# KiCad board rabbit_mask_video_edit.kicad_pcb (continued)
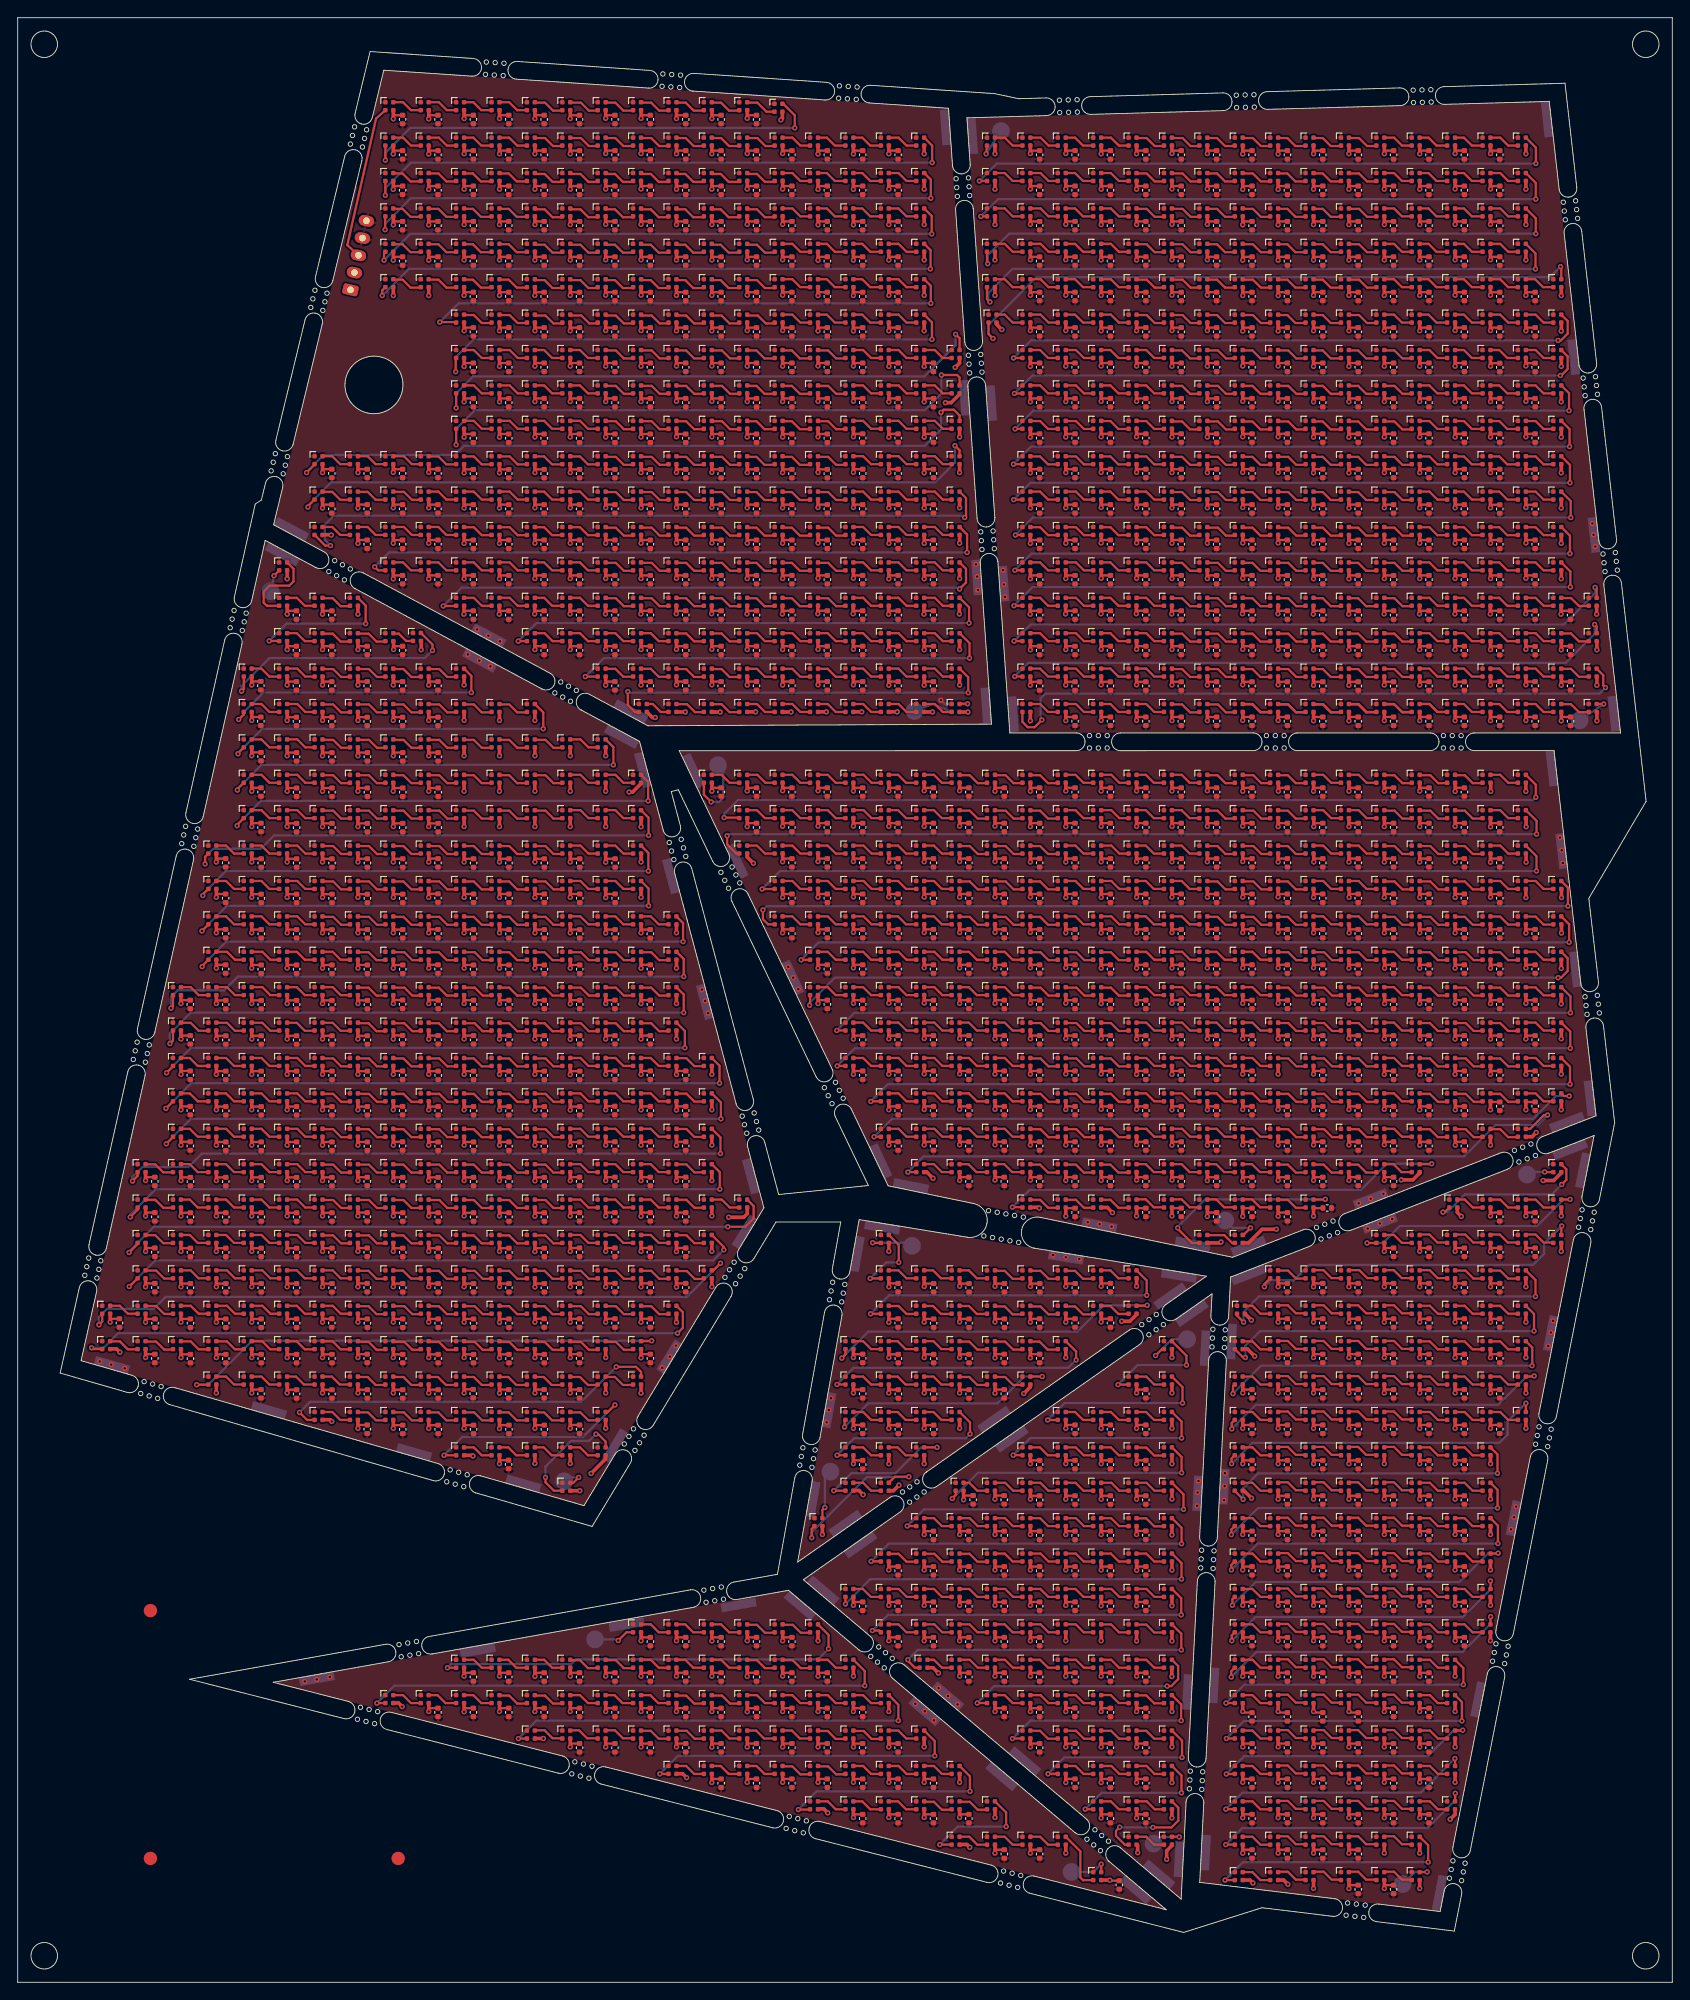
[diagram p0: board, top side]
## Nets (continued)
VCC: C1485.1 C1485#2.1 C1485#3.1 C1485#4.1 C1485#5.1 C1485#6.1 C1485#7.1 C1485#8.1 C1485#9.1 C1485#10.1 C1485#11.1 C1485#12.1 C1485#13.1 C1485#14.1 C1485#15.1 C1485#16.1 C1485#17.1 C1485#18.1 C1485#19.1 C1485#20.1 C1485#21.1 C1485#22.1 C1485#23.1 C1485#24.1 C1485#25.1 C1485#26.1 C1485#27.1 C1485#28.1 C1485#29.1 C1485#30.1 C1485#31.1 C1485#32.1 C1485#33.1 C1485#34.1 C1485#35.1 C1485#36.1 C1485#37.1 C1485#38.1 C1485#39.1 C1485#40.1 C1485#41.1 C1485#42.1 C1485#43.1 C1485#44.1 C1485#45.1 C1485#46.1 C1485#47.1 C1485#48.1 C1485#49.1 C1485#50.1 C1485#51.1 C1485#52.1 C1485#53.1 C1485#54.1 C1485#55.1 C1485#56.1 C1485#57.1 C1485#58.1 C1485#59.1 C1485#60.1 C1485#61.1 C1485#62.1 C1485#63.1 C1485#64.1 C1485#65.1 C1485#66.1 C1485#67.1 C1485#68.1 C1485#69.1 C1485#70.1 C1485#71.1 C1485#72.1 C1485#73.1 C1485#74.1 C1485#75.1 C1485#76.1 C1485#77.1 C1485#78.1 C1485#79.1 C1485#80.1 C1485#81.1 C1485#82.1 C1485#83.1 C1485#84.1 C1485#85.1 C1485#86.1 C1485#87.1 C1485#88.1 C1485#89.1 C1485#90.1 C1485#91.1 C1485#92.1 C1485#93.1 C1485#94.1 C1485#95.1 C1485#96.1 C1485#97.1 C1485#98.1 C1485#99.1 C1485#100.1 C1485#101.1 C1485#102.1 C1485#103.1 C1485#104.1 C1485#105.1 C1485#106.1 C1485#107.1 C1485#108.1 C1485#109.1 C1485#110.1 C1485#111.1 C1485#112.1 C1485#113.1 C1485#114.1 C1485#115.1 C1485#116.1 C1485#117.1 C1485#118.1 C1485#119.1 C1485#120.1 C1485#121.1 C1485#122.1 C1485#123.1 C1485#124.1 C1485#125.1 C1485#126.1 C1485#127.1 C1485#128.1 C1485#129.1 C1485#130.1 C1485#131.1 C1485#132.1 C1485#133.1 C1485#134.1 C1485#135.1 C1485#136.1 C1485#137.1 C1485#138.1 C1485#139.1 C1485#140.1 C1485#141.1 C1485#142.1 C1485#143.1 C1485#144.1 C1485#145.1 C1485#146.1 C1485#147.1 C1485#148.1 C1485#149.1 C1485#150.1 C1485#151.1 C1485#152.1 C1485#153.1 C1485#154.1 C1485#155.1 C1485#156.1 C1485#157.1 C1485#158.1 C1485#159.1 C1485#160.1 C1485#161.1 C1485#162.1 C1485#163.1 C1485#164.1 C1485#165.1 C1485#166.1 C1485#167.1 C1485#168.1 C1485#169.1 C1485#170.1 C1485#171.1 C1485#172.1 C1485#173.1 C1485#174.1 C1485#175.1 C1485#176.1 C1485#177.1 C1485#178.1 C1485#179.1 C1485#180.1 C1485#181.1 C1485#182.1 C1485#183.1 C1485#184.1 C1485#185.1 C1485#186.1 C1485#187.1 C1485#188.1 C1485#189.1 C1485#190.1 C1485#191.1 C1485#192.1 C1485#193.1 C1485#194.1 C1485#195.1 C1485#196.1 C1485#197.1 C1485#198.1 C1485#199.1 C1485#200.1 C1485#201.1 C1485#202.1 C1485#203.1 C1485#204.1 C1485#205.1 C1485#206.1 C1485#207.1 C1485#208.1 C1485#209.1 C1485#210.1 C1485#211.1 C1485#212.1 C1485#213.1 C1485#214.1 C1485#215.1 C1485#216.1 C1485#217.1 C1485#218.1 C1485#219.1 C1485#220.1 C1485#221.1 C1485#222.1 C1485#223.1 C1485#224.1 C1485#225.1 C1485#226.1 C1485#227.1 C1485#228.1 C1485#229.1 C1485#230.1 C1485#231.1 C1485#232.1 C1485#233.1 C1485#234.1 C1485#235.1 C1485#236.1 C1485#237.1 C1485#238.1 C1485#239.1 C1485#240.1 C1485#241.1 C1485#242.1 C1485#243.1 C1485#244.1 C1485#245.1 C1485#246.1 C1485#247.1 C1485#248.1 C1485#249.1 C1485#250.1 C1485#251.1 C1485#252.1 C1485#253.1 C1485#254.1 C1485#255.1 C1485#256.1 C1485#257.1 C1485#258.1 C1485#259.1 C1485#260.1 C1485#261.1 C1485#262.1 C1485#263.1 C1485#264.1 C1485#265.1 C1485#266.1 C1485#267.1 C1485#268.1 C1485#269.1 C1485#270.1 C1485#271.1 C1485#272.1 C1485#273.1 C1485#274.1 C1485#275.1 C1485#276.1 C1485#277.1 C1485#278.1 C1485#279.1 C1485#280.1 C1485#281.1 C1485#282.1 C1485#283.1 C1485#284.1 C1485#285.1 C1485#286.1 C1485#287.1 C1485#288.1 C1485#289.1 C1485#290.1 C1485#291.1 C1485#292.1 C1485#293.1 C1485#294.1 C1485#295.1 C1485#296.1 C1485#297.1 C1485#298.1 C1485#299.1 C1485#300.1 C1485#301.1 C1485#302.1 C1485#303.1 C1485#304.1 C1485#305.1 C1485#306.1 C1485#307.1 C1485#308.1 C1485#309.1 C1485#310.1 C1485#311.1 C1485#312.1 C1485#313.1 C1485#314.1 C1485#315.1 C1485#316.1 C1485#317.1 C1485#318.1 C1485#319.1 C1485#320.1 C1485#321.1 C1485#322.1 C1485#323.1 C1485#324.1 C1485#325.1 C1485#326.1 C1485#327.1 C1485#328.1 C1485#329.1 C1485#330.1 C1485#331.1 C1485#332.1 C1485#333.1 C1485#334.1 C1485#335.1 C1485#336.1 C1485#337.1 C1485#338.1 C1485#339.1 C1485#340.1 C1485#341.1 C1485#342.1 C1485#343.1 C1485#344.1 C1485#345.1 C1485#346.1 C1485#347.1 C1485#348.1 C1485#349.1 C1485#350.1 C1485#351.1 C1485#352.1 C1485#353.1 C1485#354.1 C1485#355.1 C1485#356.1 C1485#357.1 C1485#358.1 C1485#359.1 C1485#360.1 C1485#361.1 C1485#362.1 C1485#363.1 C1485#364.1 C1485#365.1 C1485#366.1 C1485#367.1 C1485#368.1 C1485#369.1 C1485#370.1 C1485#371.1 C1485#372.1 C1485#373.1 C1485#374.1 C1485#375.1 C1485#376.1 C1485#377.1 C1485#378.1 C1485#379.1 C1485#380.1 C1485#381.1 C1485#382.1 C1485#383.1 C1485#384.1 C1485#385.1 C1485#386.1 C1485#387.1 C1485#388.1 C1485#389.1 C1485#390.1 C1485#391.1 C1485#392.1 C1485#393.1 C1485#394.1 C1485#395.1 C1485#396.1 C1485#397.1 C1485#398.1 C1485#399.1 C1485#400.1 C1485#401.1 C1485#402.1 C1485#403.1 C1485#404.1 C1485#405.1 C1485#406.1 C1485#407.1 C1485#408.1 C1485#409.1 C1485#410.1 C1485#411.1 C1485#412.1 C1485#413.1 C1485#414.1 C1485#415.1 C1485#416.1 C1485#417.1 C1485#418.1 C1485#419.1 C1485#420.1 C1485#421.1 C1485#422.1 C1485#423.1 C1485#424.1 C1485#425.1 C1485#426.1 C1485#427.1 C1485#428.1 C1485#429.1 C1485#430.1 C1485#431.1 C1485#432.1 C1485#433.1 C1485#434.1 C1485#435.1 C1485#436.1 C1485#437.1 C1485#438.1 C1485#439.1 C1485#440.1 C1485#441.1 C1485#442.1 C1485#443.1 C1485#444.1 C1485#445.1 C1485#446.1 C1485#447.1 C1485#448.1 C1485#449.1 C1485#450.1 C1485#451.1 C1485#452.1 C1485#453.1 C1485#454.1 C1485#455.1 C1485#456.1 C1485#457.1 C1485#458.1 C1485#459.1 C1485#460.1 C1485#461.1 C1485#462.1 C1485#463.1 C1485#464.1 C1485#465.1 C1485#466.1 C1485#467.1 C1485#468.1 C1485#469.1 C1485#470.1 C1485#471.1 C1485#472.1 C1485#473.1 C1485#474.1 C1485#475.1 C1485#476.1 C1485#477.1 C1485#478.1 C1485#479.1 C1485#480.1 C1485#481.1 C1485#482.1 C1485#483.1 C1485#484.1 C1485#485.1 C1485#486.1 C1485#487.1 C1485#488.1 C1485#489.1 C1485#490.1 C1485#491.1 C1485#492.1 C1485#493.1 C1485#494.1 C1485#495.1 C1485#496.1 C1485#497.1 C1485#498.1 C1485#499.1 C1485#500.1 C1485#501.1 C1485#502.1 C1485#503.1 C1485#504.1 C1485#505.1 C1485#506.1 C1485#507.1 C1485#508.1 C1485#509.1 C1485#510.1 C1485#511.1 C1485#512.1 C1485#513.1 C1485#514.1 C1485#515.1 C1485#516.1 C1485#517.1 C1485#518.1 C1485#519.1 C1485#520.1 C1485#521.1 C1485#522.1 C1485#523.1 C1485#524.1 C1485#525.1 C1485#526.1 C1485#527.1 C1485#528.1 C1485#529.1 C1485#530.1 C1485#531.1 C1485#532.1 C1485#533.1 C1485#534.1 C1485#535.1 C1485#536.1 C1485#537.1 C1485#538.1 C1485#539.1 C1485#540.1 C1485#541.1 C1485#542.1 C1485#543.1 C1485#544.1 C1485#545.1 C1485#546.1 C1485#547.1 C1485#548.1 C1485#549.1 C1485#550.1 C1485#551.1 C1485#552.1 C1485#553.1 C1485#554.1 C1485#555.1 C1485#556.1 C1485#557.1 C1485#558.1 C1485#559.1 C1485#560.1 C1485#561.1 C1485#562.1 C1485#563.1 C1485#564.1 C1485#565.1 C1485#566.1 C1485#567.1 C1485#568.1 C1485#569.1 C1485#570.1 C1485#571.1 C1485#572.1 C1485#573.1 C1485#574.1 C1485#575.1 C1485#576.1 C1485#577.1 C1485#578.1 C1485#579.1 C1485#580.1 C1485#581.1 C1485#582.1 C1485#583.1 C1485#584.1 C1485#585.1 C1485#586.1 C1485#587.1 C1485#588.1 C1485#589.1 C1485#590.1 C1485#591.1 C1485#592.1 C1485#593.1 C1485#594.1 C1485#595.1 C1485#596.1 C1485#597.1 C1485#598.1 C1485#599.1 C1485#600.1 C1485#601.1 C1485#602.1 C1485#603.1 C1485#604.1 C1485#605.1 C1485#606.1 C1485#607.1 C1485#608.1 C1485#609.1 C1485#610.1 C1485#611.1 C1485#612.1 C1485#613.1 C1485#614.1 C1485#615.1 C1485#616.1 C1485#617.1 C1485#618.1 C1485#619.1 C1485#620.1 C1485#621.1 C1485#622.1 C1485#623.1 C1485#624.1 C1485#625.1 C1485#626.1 C1485#627.1 C1485#628.1 C1485#629.1 C1485#630.1 C1485#631.1 C1485#632.1 C1485#633.1 C1485#634.1 C1485#635.1 C1485#636.1 C1485#637.1 C1485#638.1 C1485#639.1 C1485#640.1 C1485#641.1 C1485#642.1 C1485#643.1 C1485#644.1 C1485#645.1 C1485#646.1 C1485#647.1 C1485#648.1 C1485#649.1 C1485#650.1 C1485#651.1 C1485#652.1 C1485#653.1 C1485#654.1 C1485#655.1 C1485#656.1 C1485#657.1 C1485#658.1 C1485#659.1 C1485#660.1 C1485#661.1 C1485#662.1 C1485#663.1 C1485#664.1 C1485#665.1 C1485#666.1 C1485#667.1 C1485#668.1 C1485#669.1 C1485#670.1 C1485#671.1 C1485#672.1 C1485#673.1 C1485#674.1 C1485#675.1 C1485#676.1 C1485#677.1 C1485#678.1 C1485#679.1 C1485#680.1 C1485#681.1 C1485#682.1 C1485#683.1 C1485#684.1 C1485#685.1 C1485#686.1 C1485#687.1 C1485#688.1 C1485#689.1 C1485#690.1 C1485#691.1 C1485#692.1 C1485#693.1 C1485#694.1 C1485#695.1 C1485#696.1 C1485#697.1 C1485#698.1 C1485#699.1 C1485#700.1 C1485#701.1 C1485#702.1 C1485#703.1 C1485#704.1 C1485#705.1 C1485#706.1 C1485#707.1 C1485#708.1 C1485#709.1 C1485#710.1 C1485#711.1 C1485#712.1 C1485#713.1 C1485#714.1 C1485#715.1 C1485#716.1 C1485#717.1 C1485#718.1 C1485#719.1 C1485#720.1 C1485#721.1 C1485#722.1 C1485#723.1 C1485#724.1 C1485#725.1 C1485#726.1 C1485#727.1 C1485#728.1 C1485#729.1 C1485#730.1 C1485#731.1 C1485#732.1 C1485#733.1 C1485#734.1 C1485#735.1 C1485#736.1 C1485#737.1 C1485#738.1 C1485#739.1 C1485#740.1 C1485#741.1 C1485#742.1 C1485#743.1 C1485#744.1 C1485#745.1 C1485#746.1 C1485#747.1 C1485#748.1 C1485#749.1 C1485#750.1 C1485#751.1 C1485#752.1 C1485#753.1 C1485#754.1 C1485#755.1 C1485#756.1 C1485#757.1 C1485#758.1 C1485#759.1 C1485#760.1 C1485#761.1 C1485#762.1 C1485#763.1 C1485#764.1 C1485#765.1 C1485#766.1 C1485#767.1 C1485#768.1 C1485#769.1 C1485#770.1 C1485#771.1 C1485#772.1 C1485#773.1 C1485#774.1 C1485#775.1 C1485#776.1 C1485#777.1 C1485#778.1 C1485#779.1 C1485#780.1 C1485#781.1 C1485#782.1 C1485#783.1 C1485#784.1 C1485#785.1 C1485#786.1 C1485#787.1 C1485#788.1 C1485#789.1 C1485#790.1 C1485#791.1 C1485#792.1 C1485#793.1 C1485#794.1 C1485#795.1 C1485#796.1 C1485#797.1 C1485#798.1 C1485#799.1 C1485#800.1 C1485#801.1 C1485#802.1 C1485#803.1 C1485#804.1 C1485#805.1 C1485#806.1 C1485#807.1 C1485#808.1 C1485#809.1 C1485#810.1 C1485#811.1 C1485#812.1 C1485#813.1 C1485#814.1 C1485#815.1 C1485#816.1 C1485#817.1 C1485#818.1 C1485#819.1 C1485#820.1 C1485#821.1 C1485#822.1 C1485#823.1 C1485#824.1 C1485#825.1 C1485#826.1 C1485#827.1 C1485#828.1 C1485#829.1 C1485#830.1 C1485#831.1 C1485#832.1 C1485#833.1 C1485#834.1 C1485#835.1 C1485#836.1 C1485#837.1 C1485#838.1 C1485#839.1 C1485#840.1 C1485#841.1 C1485#842.1 C1485#843.1 C1485#844.1 C1485#845.1 C1485#846.1 C1485#847.1 C1485#848.1 C1485#849.1 C1485#850.1 C1485#851.1 C1485#852.1 C1485#853.1 C1485#854.1 C1485#855.1 C1485#856.1 C1485#857.1 C1485#858.1 C1485#859.1 C1485#860.1 C1485#861.1 C1485#862.1 C1485#863.1 C1485#864.1 C1485#865.1 C1485#866.1 C1485#867.1 C1485#868.1 C1485#869.1 C1485#870.1 C1485#871.1 C1485#872.1 C1485#873.1 C1485#874.1 C1485#875.1 C1485#876.1 C1485#877.1 C1485#878.1 C1485#879.1 C1485#880.1 C1485#881.1 C1485#882.1 C1485#883.1 C1485#884.1 C1485#885.1 C1485#886.1 C1485#887.1 C1485#888.1 C1485#889.1 C1485#890.1 C1485#891.1 C1485#892.1 C1485#893.1 C1485#894.1 C1485#895.1 C1485#896.1 C1485#897.1 C1485#898.1 C1485#899.1 C1485#900.1 C1485#901.1 C1485#902.1 C1485#903.1 C1485#904.1 C1485#905.1 C1485#906.1 C1485#907.1 C1485#908.1 C1485#909.1 C1485#910.1 C1485#911.1 C1485#912.1 C1485#913.1 C1485#914.1 C1485#915.1 C1485#916.1 C1485#917.1 C1485#918.1 C1485#919.1 C1485#920.1 C1485#921.1 C1485#922.1 C1485#923.1 C1485#924.1 C1485#925.1 C1485#926.1 C1485#927.1 C1485#928.1 C1485#929.1 C1485#930.1 C1485#931.1 C1485#932.1 C1485#933.1 C1485#934.1 C1485#935.1 C1485#936.1 C1485#937.1 C1485#938.1 C1485#939.1 C1485#940.1 C1485#941.1 C1485#942.1 C1485#943.1 C1485#944.1 C1485#945.1 C1485#946.1 C1485#947.1 C1485#948.1 C1485#949.1 C1485#950.1 C1485#951.1 C1485#952.1 C1485#953.1 C1485#954.1 C1485#955.1 C1485#956.1 C1485#957.1 C1485#958.1 C1485#959.1 C1485#960.1 C1485#961.1 C1485#962.1 C1485#963.1 C1485#964.1 C1485#965.1 C1485#966.1 C1485#967.1 C1485#968.1 C1485#969.1 C1485#970.1 C1485#971.1 C1485#972.1 C1485#973.1 C1485#974.1 C1485#975.1 C1485#976.1 C1485#977.1 C1485#978.1 C1485#979.1 C1485#980.1 C1485#981.1 C1485#982.1 C1485#983.1 C1485#984.1 C1485#985.1 C1485#986.1 C1485#987.1 C1485#988.1 C1485#989.1 C1485#990.1 C1485#991.1 C1485#992.1 C1485#993.1 C1485#994.1 C1485#995.1 C1485#996.1 C1485#997.1 C1485#998.1 C1485#999.1 C1485#1000.1 C1485#1001.1 C1485#1002.1 C1485#1003.1 C1485#1004.1 C1485#1005.1 C1485#1006.1 C1485#1007.1 C1485#1008.1 C1485#1009.1 C1485#1010.1 C1485#1011.1 C1485#1012.1 C1485#1013.1 C1485#1014.1 C1485#1015.1 C1485#1016.1 C1485#1017.1 C1485#1018.1 C1485#1019.1 C1485#1020.1 C1485#1021.1 C1485#1022.1 C1485#1023.1 C1485#1024.1 C1485#1025.1 C1485#1026.1 C1485#1027.1 C1485#1028.1 C1485#1029.1 C1485#1030.1 C1485#1031.1 C1485#1032.1 C1485#1033.1 C1485#1034.1 C1485#1035.1 C1485#1036.1 C1485#1037.1 C1485#1038.1 C1485#1039.1 C1485#1040.1 C1485#1041.1 C1485#1042.1 C1485#1043.1 C1485#1044.1 C1485#1045.1 C1485#1046.1 C1485#1047.1 C1485#1048.1 C1485#1049.1 C1485#1050.1 C1485#1051.1 C1485#1052.1 C1485#1053.1 C1485#1054.1 C1485#1055.1 C1485#1056.1 C1485#1057.1 C1485#1058.1 C1485#1059.1 C1485#1060.1 C1485#1061.1 C1485#1062.1 C1485#1063.1 C1485#1064.1 C1485#1065.1 C1485#1066.1 C1485#1067.1 C1485#1068.1 C1485#1069.1 C1485#1070.1 C1485#1071.1 C1485#1072.1 C1485#1073.1 C1485#1074.1 C1485#1075.1 C1485#1076.1 C1485#1077.1 C1485#1078.1 C1485#1079.1 C1485#1080.1 C1485#1081.1 C1485#1082.1 C1485#1083.1 C1485#1084.1 C1485#1085.1 C1485#1086.1 C1485#1087.1 C1485#1088.1 C1485#1089.1 C1485#1090.1 C1485#1091.1 C1485#1092.1 C1485#1093.1 C1485#1094.1 C1485#1095.1 C1485#1096.1 C1485#1097.1 C1485#1098.1 C1485#1099.1 C1485#1100.1 C1485#1101.1 C1485#1102.1 C1485#1103.1 C1485#1104.1 C1485#1105.1 C1485#1106.1 C1485#1107.1 C1485#1108.1 C1485#1109.1 C1485#1110.1 C1485#1111.1 C1485#1112.1 C1485#1113.1 C1485#1114.1 C1485#1115.1 C1485#1116.1 C1485#1117.1 C1485#1118.1 C1485#1119.1 C1485#1120.1 C1485#1121.1 C1485#1122.1 C1485#1123.1 C1485#1124.1 C1485#1125.1 C1485#1126.1 C1485#1127.1 C1485#1128.1 C1485#1129.1 C1485#1130.1 C1485#1131.1 C1485#1132.1 C1485#1133.1 C1485#1134.1 C1485#1135.1 C1485#1136.1 C1485#1137.1 C1485#1138.1 C1485#1139.1 C1485#1140.1 C1485#1141.1 C1485#1142.1 C1485#1143.1 C1485#1144.1 C1485#1145.1 C1485#1146.1 C1485#1147.1 C1485#1148.1 C1485#1149.1 C1485#1150.1 C1485#1151.1 C1485#1152.1 C1485#1153.1 C1485#1154.1 C1485#1155.1 C1485#1156.1 C1485#1157.1 C1485#1158.1 C1485#1159.1 C1485#1160.1 C1485#1161.1 C1485#1162.1 C1485#1163.1 C1485#1164.1 C1485#1165.1 C1485#1166.1 C1485#1167.1 C1485#1168.1 C1485#1169.1 C1485#1170.1 C1485#1171.1 C1485#1172.1 C1485#1173.1 C1485#1174.1 C1485#1175.1 C1485#1176.1 C1485#1177.1 C1485#1178.1 C1485#1179.1 C1485#1180.1 C1485#1181.1 C1485#1182.1 C1485#1183.1 C1485#1184.1 C1485#1185.1 C1485#1186.1 C1485#1187.1 C1485#1188.1 C1485#1189.1 C1485#1190.1 C1485#1191.1 C1485#1192.1 C1485#1193.1 C1485#1194.1 C1485#1195.1 C1485#1196.1 C1485#1197.1 C1485#1198.1 C1485#1199.1 C1485#1200.1 C1485#1201.1 C1485#1202.1 C1485#1203.1 C1485#1204.1 C1485#1205.1 C1485#1206.1 C1485#1207.1 C1485#1208.1 C1485#1209.1 C1485#1210.1 C1485#1211.1 C1485#1212.1 C1485#1213.1 C1485#1214.1 C1485#1215.1 C1485#1216.1 C1485#1217.1 C1485#1218.1 C1485#1219.1 C1485#1220.1 C1485#1221.1 C1485#1222.1 C1485#1223.1 C1485#1224.1 C1485#1225.1 C1485#1226.1 C1485#1227.1 C1485#1228.1 C1485#1229.1 C1485#1230.1 C1485#1231.1 C1485#1232.1 C1485#1233.1 C1485#1234.1 C1485#1235.1 C1485#1236.1 C1485#1237.1 C1485#1238.1 C1485#1239.1 C1485#1240.1 C1485#1241.1 C1485#1242.1 C1485#1243.1 C1485#1244.1 C1485#1245.1 C1485#1246.1 C1485#1247.1 C1485#1248.1 C1485#1249.1 C1485#1250.1 C1485#1251.1 C1485#1252.1 C1485#1253.1 C1485#1254.1 C1485#1255.1 C1485#1256.1 C1485#1257.1 C1485#1258.1 C1485#1259.1 C1485#1260.1 C1485#1261.1 C1485#1262.1 C1485#1263.1 C1485#1264.1 C1485#1265.1 C1485#1266.1 C1485#1267.1 C1485#1268.1 C1485#1269.1 C1485#1270.1 C1485#1271.1 C1485#1272.1 C1485#1273.1 C1485#1274.1 C1485#1275.1 C1485#1276.1 C1485#1277.1 C1485#1278.1 C1485#1279.1 D1.2 D2.2 D3.2 D4.2 D5.2 D6.2 D7.2 D8.2 D9.2 D10.2 D11.2 D12.2 D13.2 D14.2 D15.2 D16.2 D17.2 D18.2 D19.2 D20.2 D21.2 D22.2 D23.2 D24.2 D25.2 D26.2 D27.2 D28.2 D29.2 D30.2 D31.2 D32.2 D33.2 D34.2 D35.2 D36.2 D37.2 D38.2 D39.2 D40.2 D41.2 D42.2 D43.2 D44.2 D45.2 D46.2 D47.2 D48.2 D49.2 D50.2 D51.2 D52.2 D53.2 D54.2 D55.2 D56.2 D57.2 D58.2 D59.2 D60.2 D61.2 D62.2 D63.2 D64.2 D65.2 D66.2 D67.2 D68.2 D69.2 D70.2 D71.2 D72.2 D73.2 D74.2 D75.2 D76.2 D77.2 D78.2 D79.2 D80.2 D81.2 D82.2 D83.2 D84.2 D85.2 D86.2 D87.2 D88.2 D89.2 D90.2 D91.2 D92.2 D93.2 D94.2 D95.2 D96.2 D97.2 D98.2 D99.2 D100.2 D101.2 D102.2 D103.2 D104.2 D105.2 D106.2 D107.2 D108.2 D110.2 D111.2 D112.2 D113.2 D114.2 D115.2 D116.2 D117.2 D118.2 D119.2 D120.2 D121.2 D122.2 D123.2 D124.2 D125.2 D126.2 D127.2 D128.2 D129.2 D130.2 D131.2 D132.2 D133.2 D134.2 D135.2 D136.2 D137.2 D138.2 D139.2 D140.2 D141.2 D143.2 D144.2 D145.2 D146.2 D147.2 D148.2 D149.2 D150.2 D151.2 D152.2 D153.2 D154.2 D155.2 D156.2 D157.2 D158.2 D159.2 D160.2 D161.2 D162.2 D163.2 D164.2 D165.2 D166.2 D167.2 D168.2 D169.2 D170.2 D171.2 D172.2 D173.2 D174.2 D175.2 D179.2 D180.2 D181.2 D182.2 D183.2 D184.2 D185.2 D186.2 D187.2 D188.2 D189.2 D190.2 D191.2 D192.2 D193.2 D194.2 D195.2 D196.2 D197.2 D198.2 D199.2 D200.2 D201.2 D202.2 D203.2 D204.2 D205.2 D206.2 D207.2 D208.2 D209.2 D210.2 D211.2 D212.2 D213.2 D214.2 D215.2 D216.2 D217.2 D218.2 D219.2 D220.2 D221.2 D222.2 D223.2 D224.2 D225.2 D226.2 D227.2 D228.2 D229.2 D230.2 D231.2 D232.2 D233.2 D234.2 D235.2 D236.2 D237.2 D238.2 D239.2 D240.2 D241.2 D242.2 D243.2 D244.2 D245.2 D246.2 D247.2 D248.2 D249.2 D250.2 D251.2 D252.2 D253.2 D254.2 D255.2 D256.2 D257.2 D258.2 D259.2 D260.2 D261.2 D262.2 D263.2 D264.2 D265.2 D266.2 D267.2 D268.2 D269.2 D270.2 D271.2 D272.2 D273.2 D274.2 D275.2 D276.2 D277.2 D278.2 D279.2 D280.2 D281.2 D282.2 D283.2 D284.2 D285.2 D286.2 D287.2 D288.2 D289.2 D290.2 D291.2 D292.2 D293.2 D294.2 D295.2 D296.2 D297.2 D298.2 D299.2 D300.2 D301.2 D302.2 D303.2 D304.2 D305.2 D306.2 D307.2 D308.2 D309.2 D310.2 D311.2 D312.2 D313.2 D314.2 D315.2 D316.2 D317.2 D318.2 D319.2 D320.2 D321.2 D322.2 D323.2 D324.2 D325.2 D326.2 D327.2 D328.2 D329.2 D330.2 D331.2 D332.2 D333.2 D334.2 D335.2 D336.2 D337.2 D338.2 D339.2 D340.2 D341.2 D342.2 D343.2 D344.2 D345.2 D346.2 D347.2 D348.2 D349.2 D350.2 D351.2 D352.2 D353.2 D354.2 D355.2 D356.2 D357.2 D358.2 D359.2 D360.2 D361.2 D362.2 D363.2 D364.2 D365.2 D366.2 D367.2 D368.2 D369.2 D370.2 D371.2 D372.2 D373.2 D374.2 D375.2 D376.2 D377.2 D378.2 D379.2 D380.2 D381.2 D382.2 D383.2 D384.2 D385.2 D386.2 D387.2 D388.2 D389.2 D390.2 D391.2 D392.2 D393.2 D394.2 D395.2 D396.2 D397.2 D398.2 D399.2 D400.2 D401.2 D402.2 D403.2 D404.2 D405.2 D406.2 D407.2 D408.2 D409.2 D410.2 D411.2 D412.2 D413.2 D414.2 D415.2 D416.2 D417.2 D418.2 D419.2 D420.2 D421.2 D422.2 D423.2 D424.2 D425.2 D426.2 D427.2 D428.2 D429.2 D430.2 D431.2 D432.2 D433.2 D434.2 D435.2 D436.2 D437.2 D438.2 D439.2 D440.2 D441.2 D442.2 D443.2 D444.2 D445.2 D446.2 D447.2 D448.2 D449.2 D450.2 D451.2 D452.2 D453.2 D454.2 D455.2 D456.2 D457.2 D458.2 D459.2 D460.2 D461.2 D462.2 D463.2 D464.2 D465.2 D466.2 D467.2 D468.2 D469.2 D470.2 D471.2 D472.2 D473.2 D474.2 D475.2 D476.2 D477.2 D478.2 D479.2 D480.2 D481.2 D482.2 D483.2 D484.2 D485.2 D486.2 D487.2 D488.2 D489.2 D490.2 D491.2 D492.2 D493.2 D494.2 D495.2 D496.2 D497.2 D498.2 D499.2 D500.2 D501.2 D502.2 D503.2 D504.2 D505.2 D506.2 D507.2 D508.2 D509.2 D510.2 D511.2 D512.2 D513.2 D514.2 D515.2 D516.2 D517.2 D518.2 D519.2 D520.2 D521.2 D522.2 D523.2 D524.2 D525.2 D526.2 D527.2 D528.2 D529.2 D530.2 D531.2 D532.2 D533.2 D534.2 D535.2 D536.2 D537.2 D538.2 D539.2 D540.2 D541.2 D542.2 D543.2 D544.2 D545.2 D546.2 D547.2 D548.2 D549.2 D550.2 D551.2 D552.2 D553.2 D554.2 D555.2 D556.2 D557.2 D558.2 D559.2 D560.2 D561.2 D562.2 D563.2 D564.2 D565.2 D566.2 D567.2 D568.2 D569.2 D570.2 D571.2 D572.2 D573.2 D574.2 D575.2 D576.2 D577.2 D578.2 D579.2 D580.2 D581.2 D582.2 D583.2 D584.2 D585.2 D586.2 D587.2 D588.2 D589.2 D590.2 D591.2 D592.2 D593.2 D594.2 D595.2 D596.2 D597.2 D598.2 D599.2 D600.2 D601.2 D602.2 D603.2 D604.2 D605.2 D606.2 D607.2 D608.2 D609.2 D610.2 D611.2 D612.2 D613.2 D614.2 D615.2 D616.2 D617.2 D618.2 D619.2 D620.2 D621.2 D622.2 D623.2 D624.2 D625.2 D626.2 D627.2 D628.2 D629.2 D630.2 D631.2 D632.2 D633.2 D634.2 D635.2 D636.2 D637.2 D638.2 D639.2 D640.2 D641.2 D642.2 D643.2 D644.2 D645.2 D646.2 D647.2 D648.2 D649.2 D650.2 D651.2 D652.2 D653.2 D654.2 D655.2 D656.2 D657.2 D658.2 D659.2 D660.2 D661.2 D662.2 D663.2 D664.2 D665.2 D666.2 D667.2 D668.2 D669.2 D670.2 D671.2 D672.2 D673.2 D674.2 D675.2 D676.2 D677.2 D678.2 D679.2 D680.2 D681.2 D682.2 D683.2 D684.2 D685.2 D686.2 D687.2 D688.2 D689.2 D690.2 D691.2 D692.2 D693.2 D694.2 D695.2 D696.2 D697.2 D698.2 D699.2 D700.2 D701.2 D702.2 D703.2 D704.2 D705.2 D706.2 D707.2 D708.2 D709.2 D710.2 D711.2 D712.2 D713.2 D714.2 D715.2 D716.2 D717.2 D718.2 D719.2 D720.2 D721.2 D722.2 D723.2 D724.2 D725.2 D726.2 D727.2 D728.2 D729.2 D730.2 D731.2 D732.2 D733.2 D734.2 D735.2 D736.2 D737.2 D738.2 D739.2 D740.2 D741.2 D742.2 D743.2 D744.2 D745.2 D746.2 D747.2 D748.2 D749.2 D750.2 D751.2 D752.2 D753.2 D754.2 D755.2 D756.2 D757.2 D758.2 D759.2 D760.2 D761.2 D762.2 D763.2 D764.2 D765.2 D766.2 D767.2 D768.2 D769.2 D770.2 D771.2 D772.2 D773.2 D774.2 D775.2 D776.2 D777.2 D778.2 D779.2 D780.2 D781.2 D782.2 D783.2 D784.2 D785.2 D786.2 D787.2 D788.2 D789.2 D790.2 D791.2 D792.2 D793.2 D794.2 D795.2 D796.2 D797.2 D798.2 D799.2 D800.2 D801.2 D802.2 D803.2 D804.2 D805.2 D806.2 D807.2 D808.2 D809.2 D810.2 D811.2 D812.2 D813.2 D814.2 D815.2 D816.2 D817.2 D818.2 D819.2 D820.2 D821.2 D822.2 D823.2 D824.2 D825.2 D826.2 D827.2 D828.2 D829.2 D830.2 D831.2 D832.2 D833.2 D834.2 D835.2 D836.2 D837.2 D838.2 D839.2 D840.2 D841.2 D842.2 D843.2 D844.2 D845.2 D846.2 D847.2 D848.2 D849.2 D850.2 D851.2 D852.2 D853.2 D854.2 D855.2 D856.2 D857.2 D858.2 D859.2 D860.2 D861.2 D862.2 D863.2 D864.2 D865.2 D866.2 D867.2 D868.2 D869.2 D870.2 D871.2 D872.2 D873.2 D874.2 D875.2 D876.2 D877.2 D878.2 D879.2 D880.2 D881.2 D882.2 D883.2 D884.2 D885.2 D886.2 D887.2 D888.2 D889.2 D890.2 D891.2 D892.2 D893.2 D894.2 D895.2 D896.2 D897.2 D898.2 D899.2 D900.2 D901.2 D902.2 D903.2 D904.2 D905.2 D906.2 D907.2 D908.2 D909.2 D910.2 D911.2 D912.2 D913.2 D914.2 D915.2 D916.2 D917.2 D918.2 D919.2 D920.2 D921.2 D922.2 D923.2 D924.2 D925.2 D926.2 D927.2 D928.2 D929.2 D930.2 D931.2 D932.2 D933.2 D934.2 D935.2 D936.2 D937.2 D938.2 D939.2 D940.2 D941.2 D942.2 D943.2 D944.2 D945.2 D946.2 D947.2 D948.2 D949.2 D950.2 D951.2 D952.2 D953.2 D954.2 D955.2 D956.2 D957.2 D958.2 D959.2 D960.2 D961.2 D962.2 D963.2 D964.2 D965.2 D966.2 D967.2 D968.2 D969.2 D970.2 D971.2 D972.2 D973.2 D974.2 D975.2 D976.2 D977.2 D978.2 D979.2 D980.2 D981.2 D982.2 D983.2 D984.2 D985.2 D986.2 D987.2 D988.2 D989.2 D990.2 D991.2 D992.2 D993.2 D994.2 D995.2 D996.2 D997.2 D998.2 D999.2 D1000.2 D1001.2 D1002.2 D1003.2 D1004.2 D1005.2 D1006.2 D1007.2 D1008.2 D1009.2 D1010.2 D1011.2 D1012.2 D1013.2 D1014.2 D1015.2 D1016.2 D1017.2 D1018.2 D1019.2 D1020.2 D1021.2 D1022.2 D1023.2 D1024.2 D1025.2 D1026.2 D1027.2 D1028.2 D1029.2 D1030.2 D1031.2 D1032.2 D1033.2 D1034.2 D1035.2 D1036.2 D1037.2 D1038.2 D1039.2 D1040.2 D1041.2 D1042.2 D1043.2 D1044.2 D1045.2 D1046.2 D1047.2 D1048.2 D1049.2 D1050.2 D1051.2 D1052.2 D1053.2 D1054.2 D1055.2 D1056.2 D1057.2 D1058.2 D1059.2 D1060.2 D1061.2 D1062.2 D1063.2 D1064.2 D1065.2 D1066.2 D1067.2 D1068.2 D1069.2 D1070.2 D1071.2 D1072.2 D1073.2 D1074.2 D1075.2 D1076.2 D1077.2 D1078.2 D1079.2 D1080.2 D1081.2 D1082.2 D1083.2 D1084.2 D1085.2 D1086.2 D1087.2 D1088.2 D1089.2 D1090.2 D1091.2 D1092.2 D1093.2 D1094.2 D1095.2 D1096.2 D1097.2 D1098.2 D1099.2 D1100.2 D1101.2 D1102.2 D1103.2 D1104.2 D1105.2 D1106.2 D1107.2 D1108.2 D1109.2 D1110.2 D1111.2 D1112.2 D1113.2 D1114.2 D1115.2 D1116.2 D1117.2 D1118.2 D1119.2 D1120.2 D1121.2 D1122.2 D1123.2 D1124.2 D1125.2 D1126.2 D1127.2 D1128.2 D1129.2 D1130.2 D1131.2 D1132.2 D1133.2 D1134.2 D1135.2 D1136.2 D1137.2 D1138.2 D1139.2 D1140.2 D1141.2 D1142.2 D1143.2 D1144.2 D1145.2 D1146.2 D1147.2 D1148.2 D1149.2 D1150.2 D1151.2 D1152.2 D1153.2 D1154.2 D1155.2 D1156.2 D1157.2 D1158.2 D1159.2 D1160.2 D1161.2 D1162.2 D1163.2 D1164.2 D1165.2 D1166.2 D1167.2 D1168.2 D1169.2 D1170.2 D1171.2 D1172.2 D1173.2 D1174.2 D1175.2 D1176.2 D1177.2 D1178.2 D1179.2 D1180.2 D1181.2 D1182.2 D1183.2 D1184.2 D1185.2 D1186.2 D1187.2 D1188.2 D1189.2 D1190.2 D1191.2 D1192.2 D1193.2 D1194.2 D1195.2 D1196.2 D1197.2 D1198.2 D1199.2 D1200.2 D1201.2 D1202.2 D1203.2 D1204.2 D1205.2 D1206.2 D1207.2 D1208.2 D1209.2 D1210.2 D1211.2 D1212.2 D1213.2 D1214.2 D1215.2 D1216.2 D1217.2 D1218.2 D1219.2 D1220.2 D1221.2 D1222.2 D1223.2 D1224.2 D1225.2 D1226.2 D1227.2 D1228.2 D1229.2 D1230.2 D1231.2 D1232.2 D1233.2 D1234.2 D1235.2 D1236.2 D1237.2 D1238.2 D1239.2 D1240.2 D1241.2 D1242.2 D1243.2 D1244.2 D1245.2 D1246.2 D1247.2 D1248.2 D1249.2 D1250.2 D1251.2 D1252.2 D1253.2 D1254.2 D1255.2 D1256.2 D1257.2 D1258.2 D1259.2 D1260.2 D1261.2 D1262.2 D1263.2 D1264.2 D1265.2 D1266.2 D1267.2 D1268.2 D1269.2 D1270.2 D1271.2 D1272.2 D1273.2 D1274.2 D1275.2 D1276.2 D1277.2 D1278.2 D1279.2 D1280.2 D1281.2 D1282.2 D1283.2 D1284.2 D1285.2 D1286.2 D1287.2 D1288.2 D1289.2 D1290.2 D1291.2 D1292.2 D1293.2 D1294.2 D1295.2 D1296.2 D1297.2 D1298.2 D1299.2 D1300.2 D1301.2 D1302.2 D1303.2 D1304.2 D1305.2 D1306.2 D1307.2 D1308.2 D1309.2 D1310.2 D1311.2 D1312.2 D1313.2 D1314.2 D1315.2 D1316.2 D1317.2 D1318.2 D1319.2 D1320.2 D1321.2 D1322.2 D1323.2 D1324.2 D1325.2 D1326.2 D1327.2 D1328.2 D1329.2 D1330.2 D1331.2 D1332.2 D1333.2 D1334.2 D1335.2 D1336.2 D1337.2 D1338.2 D1339.2 D1340.2 D1341.2 D1342.2 D1343.2 D1344.2 D1345.2 D1346.2 D1347.2 D1348.2 D1349.2 D1350.2 D1351.2 D1352.2 D1353.2 D1354.2 D1355.2 D1356.2 D1357.2 D1358.2 D1359.2 D1360.2 D1361.2 D1362.2 D1363.2 D1364.2 D1365.2 D1366.2 D1367.2 D1368.2 D1369.2 D1370.2 D1371.2 D1372.2 D1373.2 D1374.2 D1375.2 D1376.2 D1377.2 D1378.2 D1379.2 D1380.2 D1381.2 D1382.2 D1383.2 D1384.2 D1385.2 D1386.2 D1387.2 D1388.2 D1389.2 D1390.2 D1391.2 D1392.2 D1393.2 D1394.2 D1395.2 D1396.2 D1397.2 D1398.2 D1399.2 D1400.2 D1401.2 D1402.2 D1403.2 D1404.2 D1405.2 D1406.2 D1407.2 D1408.2 D1409.2 D1410.2 D1411.2 D1412.2 D1413.2 D1414.2 D1415.2 D1416.2 D1417.2 D1418.2 D1419.2 D1420.2 D1421.2 D1422.2 D1423.2 D1424.2 D1425.2 D1426.2 D1427.2 D1428.2 D1429.2 D1430.2 D1431.2 D1432.2 D1433.2 D1434.2 D1435.2 D1436.2 D1437.2 D1438.2 D1439.2 D1440.2 D1441.2 D1442.2 D1443.2 D1444.2 D1445.2 D1446.2 D1447.2 D1448.2 D1449.2 D1450.2 D1451.2 D1452.2 D1453.2 D1454.2 D1455.2 D1456.2 D1457.2 D1458.2 D1459.2 D1460.2 D1461.2 D1462.2 D1463.2 D1464.2 D1465.2 D1466.2 D1467.2 D1468.2 D1469.2 D1470.2 D1471.2 D1472.2 D1473.2 D1474.2 D1475.2 D1476.2 D1477.2 D1478.2 D1479.2 D1480.2 D1481.2 D1482.2 D1483.2 D1484.2 D1659.2 J1485.1 J1485.2 J1487.1 J1487#2.1 J1487#3.1 J1487#4.1 J1487#5.1 J1487#6.1 J1487#7.1 J1487#8.1 J1487#9.1 J1487#10.1 J1487#11.1 J1487#12.1 J1487#13.1 J1487#14.1 J1487#15.1 J1487#16.1 J1487#17.1 J1487#18.1 J1487#19.1 J1487#20.1 J1487#21.1 J1487#22.1 J1487#23.1 J1487#24.1 J1487#25.1 J1487#26.1 J1487#27.1 J1487#28.1 J1487#29.1 J1487#30.1 J1487#31.1 J1487#32.1 J1487#33.1 J1487#34.1 J1487#35.1 J1487#36.1 J1487#37.1 J1487#38.1 J1487#39.1 J1487#40.1 J1487#41.1 J1487#42.1 J1487#43.1 J1487#44.1 J1487#45.1 J1487#46.1 J1487#47.1 J1487#48.1 J1487#49.1 J1487#50.1 J1487#51.1 J1487#52.1 J1487#53.1 J1487#54.1 J1487#55.1 J1487#56.1 J1487#57.1 J1487#58.1 J1487#59.1 J1487#60.1 J1487#61.1